# KiCad board ThumbsUp.kicad_pcb
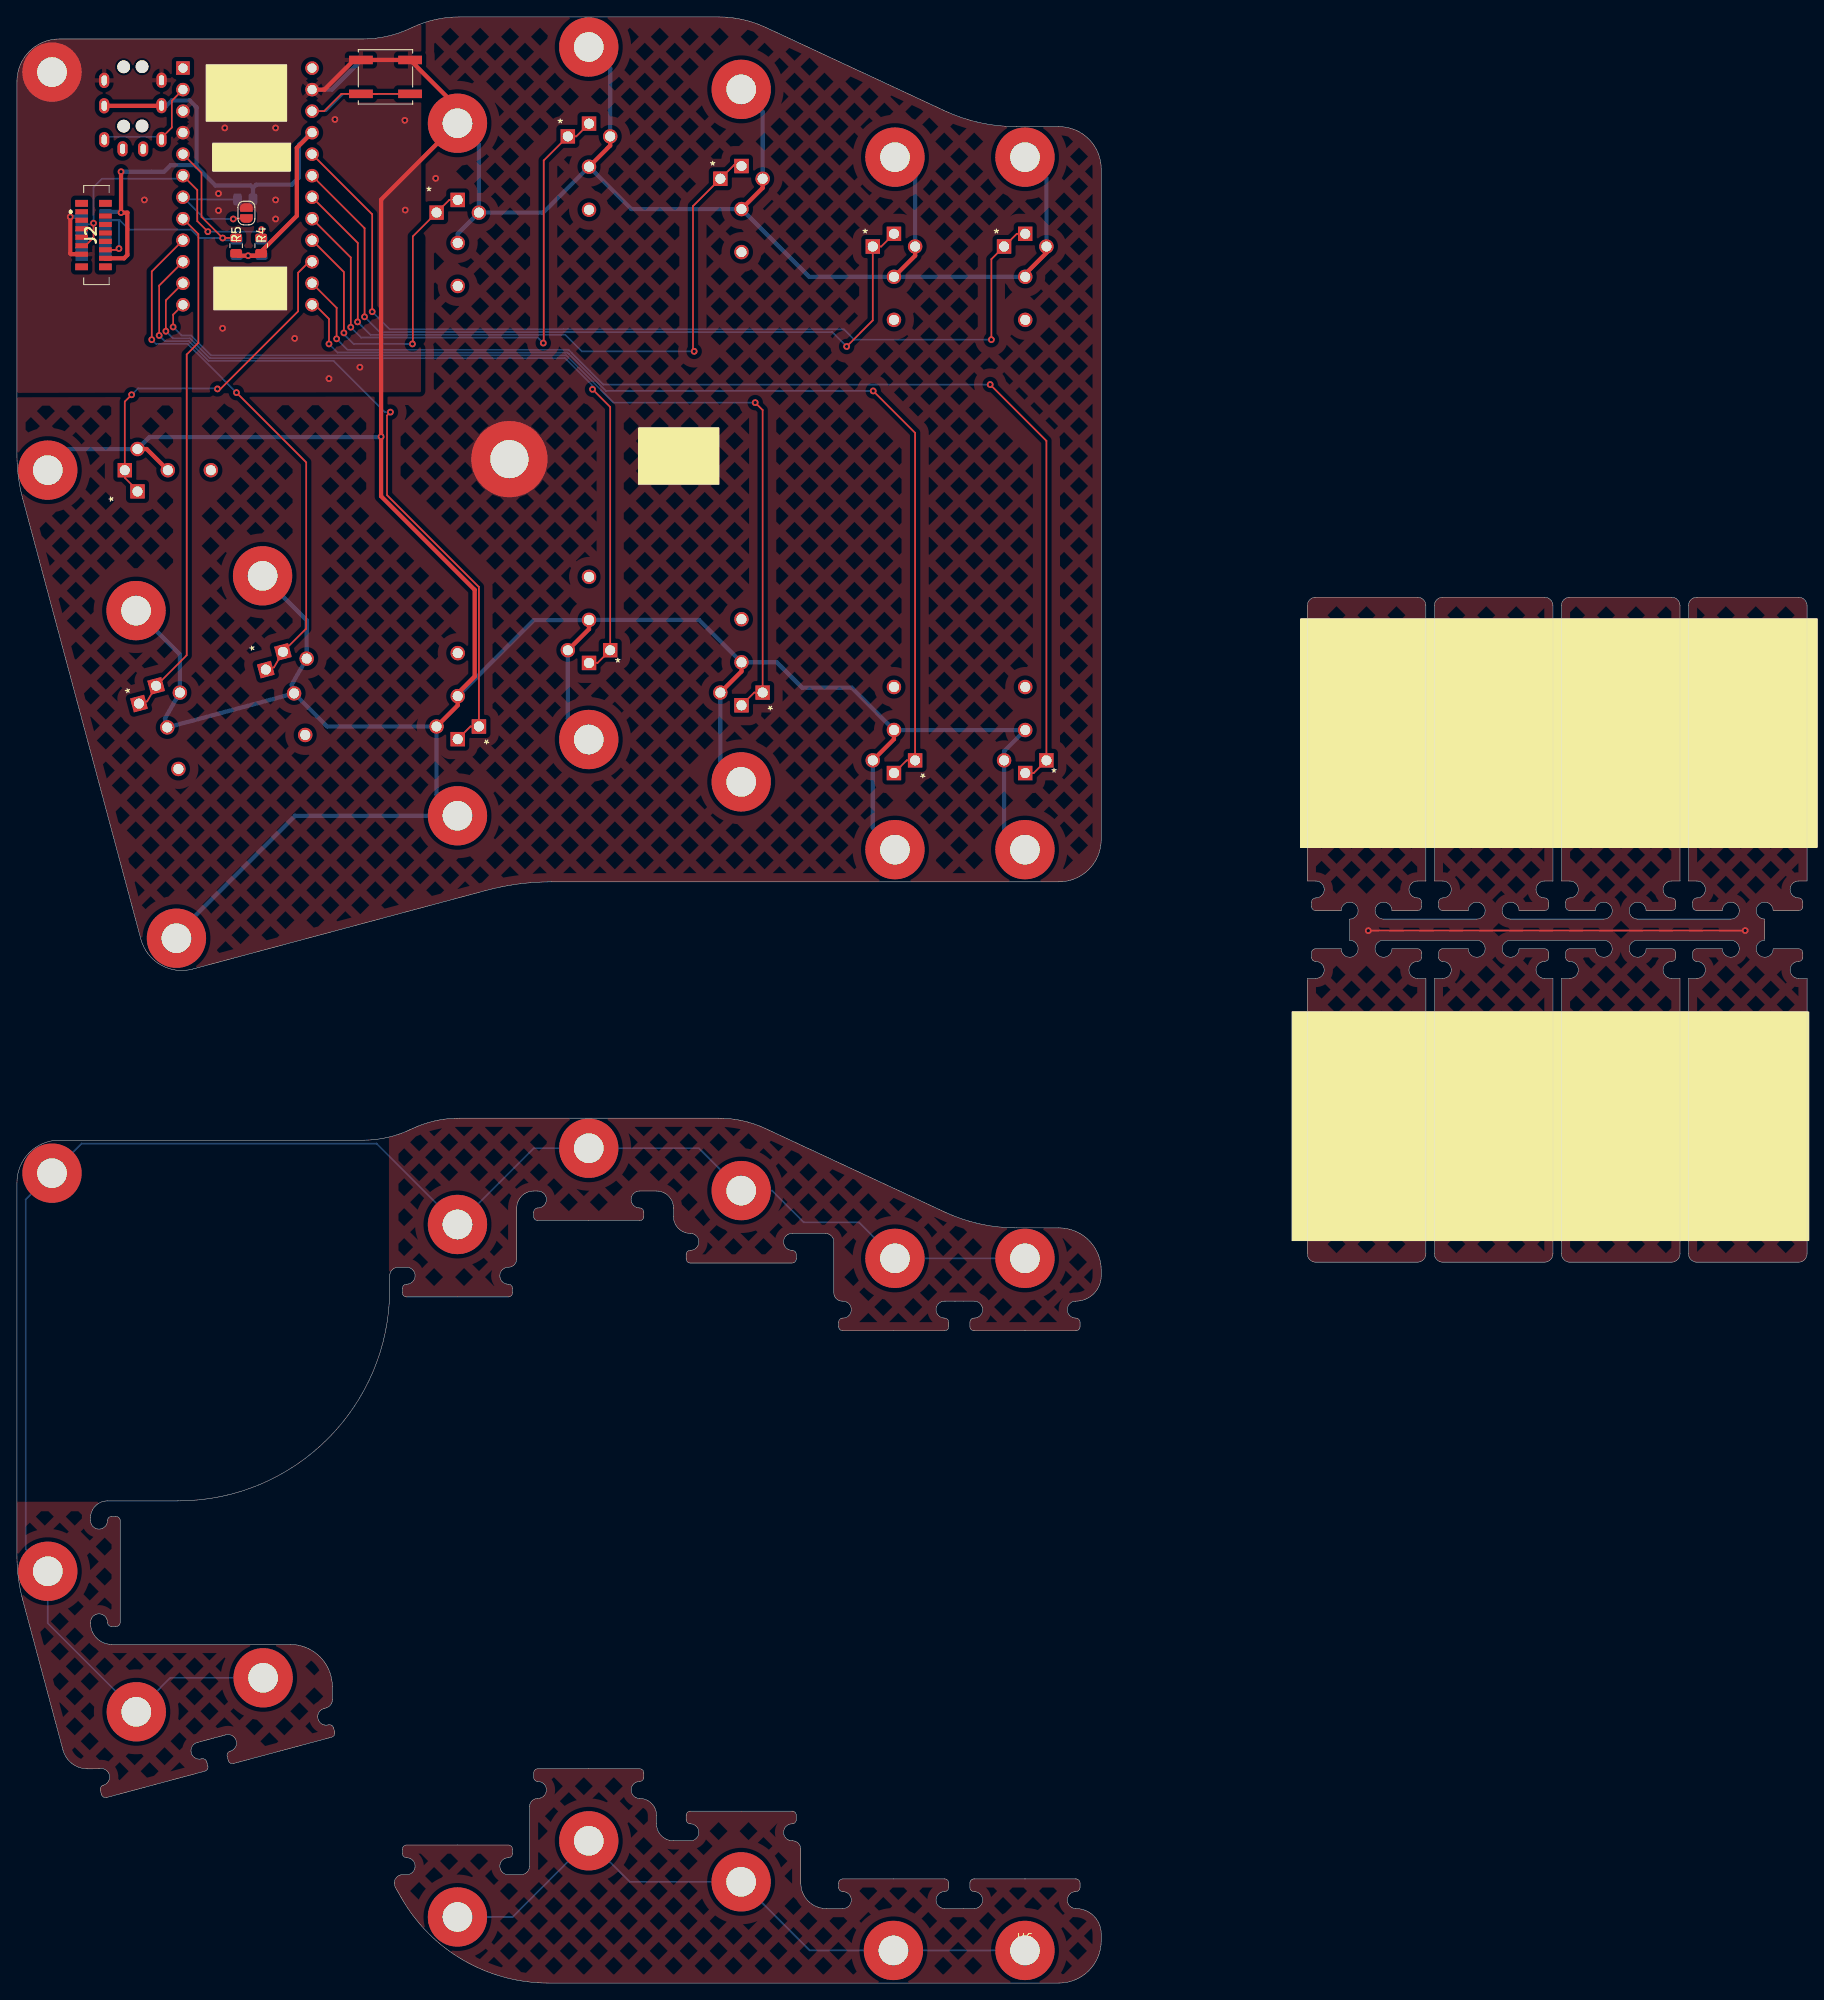
[diagram p0: board, top side]
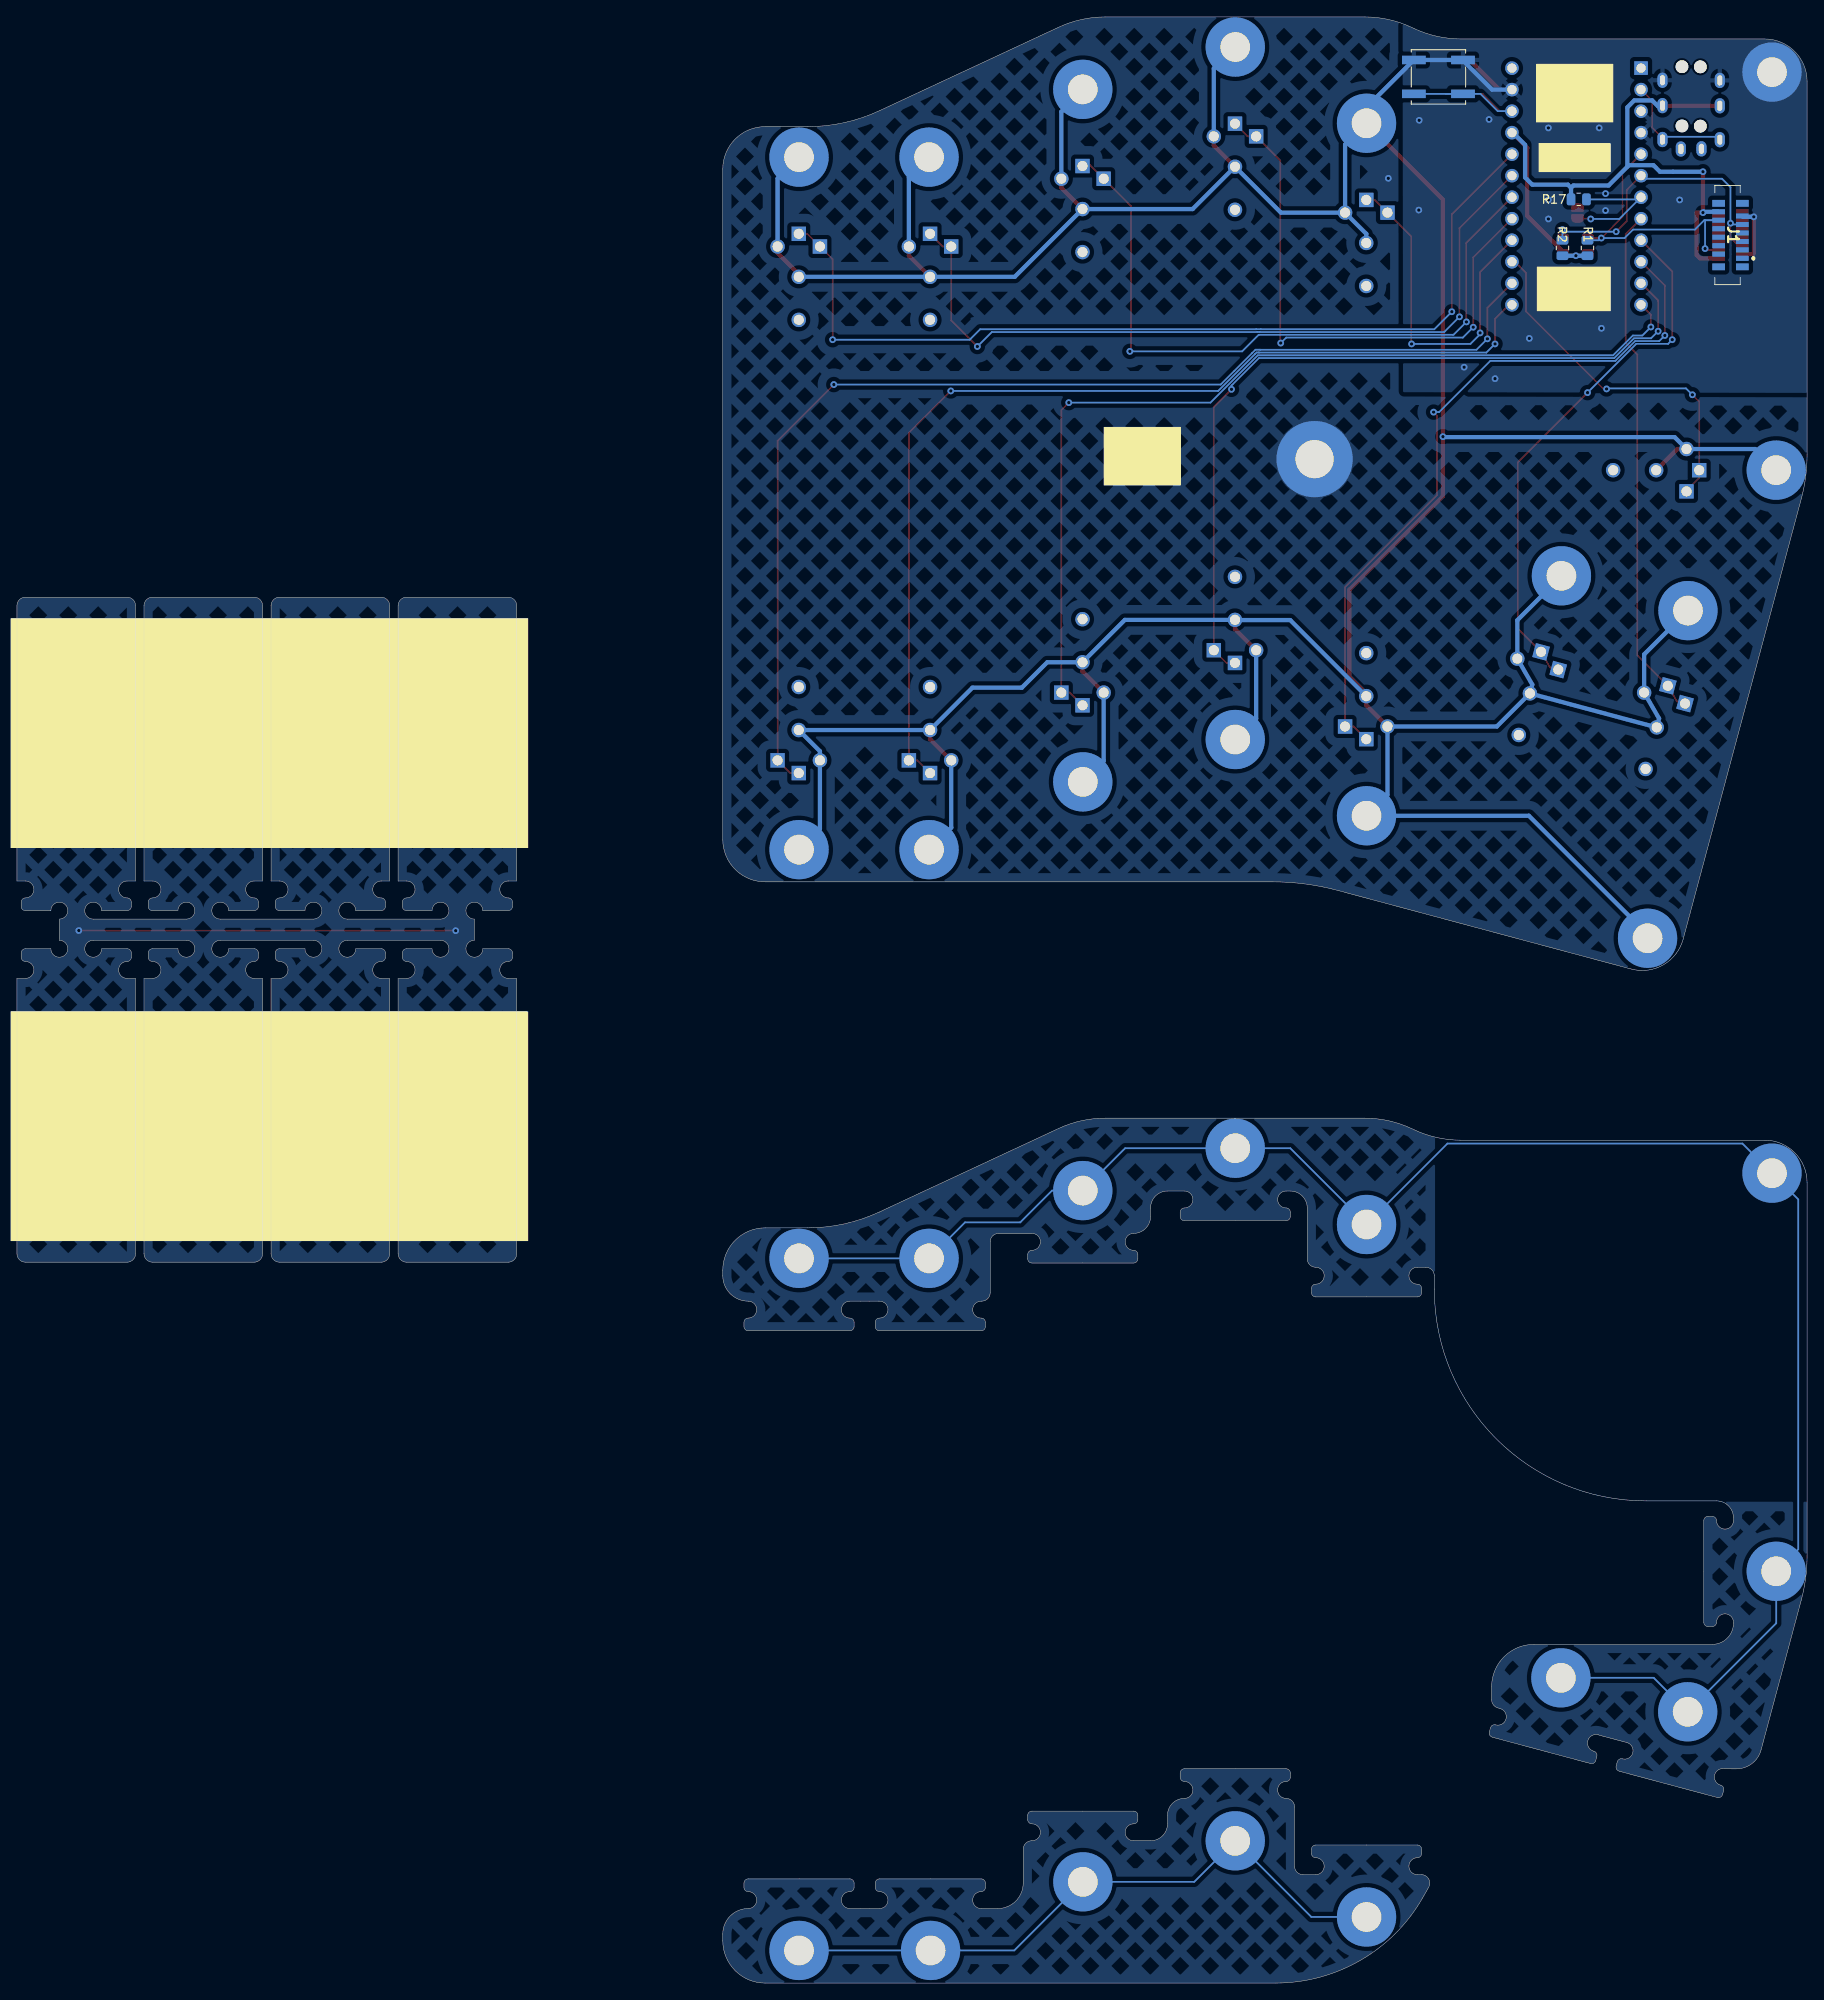
[diagram p1: board, bottom side, seen from below]

Outline 211.34 x 232.1 mm; copper layers: Top, Bottom. Coordinates in mm from the lower left corner of the outline.
Outline path: 92.54,11.79 92.54,15.8 arc(92.25,16.5) 91.54,16.8 91.51,16.8 arc(90.51,17.8) 91.51,18.8 arc(91.86,18.94) 92.01,19.3 92.01,19.8 arc(91.86,20.15) 91.51,20.3 79.51,20.3 arc(79.16,20.15) 79.01,19.8 79.01,19.3 arc(79.16,18.94) 79.51,18.8 arc(80.51,17.8) 79.51,16.8 77.51,16.8 77.51,16.8 arc(76.09,17.38) 75.51,18.8 75.51,19.8 arc(74.92,21.21) 73.51,21.8 arc(72.51,22.8) 73.51,23.8 arc(73.86,23.94) 74.01,24.3 74.01,24.8 arc(73.86,25.15) 73.51,25.3 61.51,25.3 arc(61.16,25.15) 61.01,24.8 61.01,24.3 arc(61.16,23.94) 61.51,23.8 arc(62.51,22.8) 61.51,21.8 arc(60.8,21.5) 60.51,20.8 60.51,13.8 arc(60.22,13.09) 59.51,12.8 58.01,12.8 arc(57.01,13.8) 58.01,14.8 arc(58.36,14.94) 58.51,15.3 58.51,15.8 arc(58.36,16.15) 58.01,16.3 46.01,16.3 arc(45.66,16.15) 45.51,15.8 45.51,15.3 arc(45.66,14.94) 46.01,14.8 arc(47.01,13.8) 46.01,12.8 45.55,12.8 arc(44.68,12.3) 44.68,11.3 45.37,10.09 arc(52.69,2.7) 62.74,0 123.01,0 arc(126.55,1.46) 128.01,5 128.01,5.8 arc(127.13,7.92) 125.01,8.8 125.01,8.8 arc(124.01,9.8) 125.01,10.8 arc(125.36,10.94) 125.51,11.3 125.51,11.8 arc(125.36,12.15) 125.01,12.3 113.01,12.3 arc(112.66,12.15) 112.51,11.8 112.51,11.3 arc(112.66,10.94) 113.01,10.8 arc(114.01,9.8) 113.01,8.8 ; 92.54,11.8 arc(93.42,9.68) 95.54,8.8 97.51,8.8 arc(98.51,9.8) 97.51,10.8 arc(97.16,10.94) 97.01,11.3 97.01,11.8 arc(97.16,12.15) 97.51,12.3 109.51,12.3 arc(109.86,12.15) 110.01,11.8 110.01,11.3 arc(109.86,10.94) 109.51,10.8 arc(108.51,9.8) 109.51,8.8 110.74,8.8 111.74,8.8 113.02,8.8 ; 166.34,130.1 165.34,130.1 arc(164.34,129.1) 165.34,128.1 arc(165.69,127.95) 165.84,127.6 165.84,127.1 arc(165.69,126.75) 165.34,126.6 162.34,126.6 arc(160.63,127.31) 161.34,125.6 172.34,125.6 arc(173.05,127.31) 171.34,126.6 168.34,126.6 arc(167.99,126.75) 167.84,127.1 167.84,127.6 arc(167.99,127.95) 168.34,128.1 arc(169.34,129.1) 168.34,130.1 167.34,130.1 167.34,162.6 arc(167.63,163.31) 168.34,163.6 180.34,163.6 arc(181.05,163.31) 181.34,162.6 181.34,130.1 180.34,130.1 arc(179.34,129.1) 180.34,128.1 arc(180.69,127.95) 180.84,127.6 180.84,127.1 arc(180.69,126.75) 180.34,126.6 177.34,126.6 arc(175.63,127.31) 176.34,125.6 187.34,125.6 arc(188.05,127.31) 186.34,126.6 183.34,126.6 arc(182.99,126.75) 182.84,127.1 182.84,127.6 arc(182.99,127.95) 183.34,128.1 arc(184.34,129.1) 183.34,130.1 182.34,130.1 ; 166.34,130.1 166.34,162.6 arc(166.05,163.31) 165.34,163.6 153.34,163.6 arc(152.63,163.31) 152.34,162.6 152.34,130.1 153.34,130.1 arc(154.34,129.1) 153.34,128.1 arc(152.99,127.95) 152.84,127.6 152.84,127.1 arc(152.99,126.75) 153.34,126.6 156.34,126.6 arc(158.05,127.31) 157.34,125.6 157.34,123.1 arc(158.05,121.39) 156.34,122.1 153.34,122.1 arc(152.99,121.95) 152.84,121.6 152.84,121.1 arc(152.99,120.75) 153.34,120.6 arc(154.34,119.6) 153.34,118.6 152.34,118.6 152.34,86.1 arc(152.63,85.39) 153.34,85.1 165.34,85.1 arc(166.05,85.39) 166.34,86.1 166.34,118.6 165.34,118.6 arc(164.34,119.6) 165.34,120.6 arc(165.69,120.75) 165.84,121.1 165.84,121.6 arc(165.69,121.95) 165.34,122.1 162.34,122.1 arc(160.63,121.39) 161.34,123.1 172.34,123.1 arc(173.05,121.39) 171.34,122.1 168.34,122.1 arc(167.99,121.95) 167.84,121.6 167.84,121.1 arc(167.99,120.75) 168.34,120.6 arc(169.34,119.6) 168.34,118.6 167.34,118.6 167.34,86.1 arc(167.63,85.39) 168.34,85.1 180.34,85.1 arc(181.05,85.39) 181.34,86.1 181.34,118.6 180.34,118.6 arc(179.34,119.6) 180.34,120.6 arc(180.69,120.75) 180.84,121.1 180.84,121.6 arc(180.69,121.95) 180.34,122.1 177.34,122.1 arc(175.63,121.39) 176.34,123.1 187.34,123.1 arc(188.05,121.39) 186.34,122.1 183.34,122.1 arc(182.99,121.95) 182.84,121.6 182.84,121.1 arc(182.99,120.75) 183.34,120.6 arc(184.34,119.6) 183.34,118.6 182.34,118.6 182.34,86.1 arc(182.63,85.39) 183.34,85.1 195.34,85.1 arc(196.05,85.39) 196.34,86.1 196.34,118.6 195.34,118.6 arc(194.34,119.6) 195.34,120.6 arc(195.69,120.75) 195.84,121.1 195.84,121.6 arc(195.69,121.95) 195.34,122.1 192.34,122.1 arc(190.63,121.39) 191.34,123.1 202.34,123.1 arc(203.05,121.39) 201.34,122.1 198.34,122.1 arc(197.99,121.95) 197.84,121.6 197.84,121.1 arc(197.99,120.75) 198.34,120.6 arc(199.34,119.6) 198.34,118.6 197.34,118.6 197.34,86.1 arc(197.63,85.39) 198.34,85.1 210.34,85.1 arc(211.05,85.39) 211.34,86.1 211.34,118.6 210.34,118.6 arc(209.34,119.6) 210.34,120.6 arc(210.69,120.75) 210.84,121.1 210.84,121.6 arc(210.69,121.95) 210.34,122.1 207.34,122.1 arc(205.63,121.39) 206.34,123.1 206.34,125.6 arc(205.63,127.31) 207.34,126.6 210.34,126.6 arc(210.69,126.75) 210.84,127.1 210.84,127.6 arc(210.69,127.95) 210.34,128.1 arc(209.34,129.1) 210.34,130.1 211.34,130.1 211.34,162.6 arc(211.05,163.31) 210.34,163.6 198.34,163.6 arc(197.63,163.31) 197.34,162.6 197.34,130.1 198.34,130.1 arc(199.34,129.1) 198.34,128.1 arc(197.99,127.95) 197.84,127.6 197.84,127.1 arc(197.99,126.75) 198.34,126.6 201.34,126.6 arc(203.05,127.31) 202.34,125.6 191.34,125.6 arc(190.63,127.31) 192.34,126.6 195.34,126.6 arc(195.69,126.75) 195.84,127.1 195.84,127.6 arc(195.69,127.95) 195.34,128.1 arc(194.34,129.1) 195.34,130.1 196.34,130.1 196.34,162.6 arc(196.05,163.31) 195.34,163.6 183.34,163.6 arc(182.63,163.31) 182.34,162.6 182.34,130.1 ; 0,224.5 arc(1.46,228.04) 5,229.5 40.87,229.5 arc(43.68,229.81) 46.35,230.71 46.72,230.89 arc(49.4,231.79) 52.21,232.1 82.86,232.1 arc(85.67,231.79) 88.35,230.88 109.52,221.02 arc(113.64,219.62) 117.97,219.15 123.01,219.15 arc(126.55,217.69) 128.01,214.15 128.01,135 arc(126.55,131.46) 123.01,130 63.12,130 arc(59.2,129.74) 55.35,128.98 20.75,119.7 arc(16.96,120.2) 14.63,123.24 0.68,175.22 arc(0.17,177.79) 0,180.4 0,224.5 ; 0,94.5 arc(1.46,98.04) 5,99.5 40.87,99.5 arc(43.68,99.81) 46.35,100.71 46.72,100.89 arc(49.4,101.79) 52.21,102.1 82.86,102.1 arc(85.67,101.79) 88.35,100.88 109.52,91.02 arc(113.65,89.62) 117.97,89.15 123.01,89.15 arc(126.55,87.69) 128.01,84.15 128.01,83.5 arc(127.13,81.38) 125.01,80.5 125.01,80.5 arc(124.01,79.5) 125.01,78.5 arc(125.36,78.35) 125.51,78 125.51,77.5 arc(125.36,77.15) 125.01,77 113.01,77 arc(112.66,77.15) 112.51,77.5 112.51,78 arc(112.66,78.35) 113.01,78.5 arc(114.01,79.5) 113.01,80.5 109.51,80.5 arc(108.51,79.5) 109.51,78.5 arc(109.86,78.35) 110.01,78 110.01,77.5 arc(109.86,77.15) 109.51,77 97.51,77 arc(97.16,77.15) 97.01,77.5 97.01,78 arc(97.16,78.35) 97.51,78.5 arc(98.51,79.5) 97.51,80.5 97.44,80.5 arc(96.73,80.79) 96.44,81.5 96.44,87.5 arc(96.15,88.21) 95.44,88.5 91.51,88.5 arc(90.51,87.5) 91.51,86.5 arc(91.86,86.35) 92.01,86 92.01,85.5 arc(91.86,85.15) 91.51,85 79.51,85 arc(79.16,85.15) 79.01,85.5 79.01,86 arc(79.16,86.35) 79.51,86.5 arc(80.51,87.5) 79.51,88.5 arc(78.09,89.09) 77.51,90.5 77.51,91.5 arc(76.92,92.91) 75.51,93.5 73.51,93.5 arc(72.51,92.5) 73.51,91.5 arc(73.86,91.35) 74.01,91 74.01,90.5 arc(73.86,90.15) 73.51,90 61.51,90 arc(61.16,90.15) 61.01,90.5 61.01,91 arc(61.16,91.35) 61.51,91.5 arc(62.51,92.5) 61.51,93.5 61.01,93.5 arc(59.59,92.91) 59.01,91.5 59.01,85.5 arc(58.72,84.79) 58.01,84.5 arc(57.01,83.5) 58.01,82.5 arc(58.36,82.35) 58.51,82 58.51,81.5 arc(58.36,81.15) 58.01,81 46.01,81 arc(45.66,81.15) 45.51,81.5 45.51,82 arc(45.66,82.35) 46.01,82.5 arc(47.01,83.5) 46.01,84.5 45.01,84.5 arc(44.3,84.21) 44.01,83.5 44.01,81.92 arc(36.69,64.24) 19.01,56.92 10.69,56.92 arc(9.28,56.33) 8.69,54.92 8.69,54.59 arc(9.69,53.59) 10.69,54.59 arc(10.84,54.94) 11.19,55.09 11.69,55.09 arc(12.04,54.94) 12.19,54.59 12.19,42.59 arc(12.04,42.24) 11.69,42.09 11.19,42.09 arc(10.84,42.24) 10.69,42.59 arc(9.69,43.59) 8.69,42.59 8.69,42.48 arc(9.42,40.71) 11.19,39.98 32.24,39.98 arc(35.78,38.52) 37.24,34.98 37.24,33.45 arc(37.04,32.85) 36.52,32.49 36.25,32.41 arc(35.54,31.18) 36.77,30.48 arc(37.15,30.43) 37.38,30.12 37.51,29.64 arc(37.46,29.26) 37.15,29.03 31.36,27.47 25.56,25.92 arc(25.18,25.97) 24.95,26.28 24.82,26.76 arc(24.87,27.14) 25.18,27.37 arc(25.88,28.6) 24.66,29.3 21.28,28.4 arc(20.57,27.17) 21.79,26.46 arc(22.17,26.41) 22.41,26.11 22.54,25.63 arc(22.49,25.25) 22.18,25.02 16.39,23.46 10.59,21.91 arc(10.21,21.96) 9.98,22.26 9.85,22.75 arc(9.9,23.13) 10.2,23.36 arc(10.91,24.58) 9.69,25.29 8.33,25.29 arc(6.51,25.91) 5.43,27.51 0.68,45.22 arc(0.17,47.79) 0,50.41 0,94.5

## Placement (name value [footprint] x y rotation side)
H1  MountingHole_Pad  [MountingHole_3.5mm_Pad]  103.66 85.55 0 top
H2  MountingHole_Pad  [MountingHole_3.5mm_Pad]  85.5 11.95 0 top
H3  MountingHole_Pad  [MountingHole_3.5mm_Pad]  3.64 178.6 0 top
H4  MountingHole_Pad  [MountingHole_4.5mm_Pad]  58.14 179.9 0 top
H5  MountingHole_Pad  [MountingHole_3.5mm_Pad]  85.51 223.55 0 top
H6  MountingHole_Pad  [MountingHole_3.5mm_Pad]  119.01 3.85 0 top
H7  MountingHole_Pad  [MountingHole_3.5mm_Pad]  119.01 215.55 0 top
H8  MountingHole_Pad  [MountingHole_3.5mm_Pad]  29 166.12 15 top
H9  MountingHole_Pad  [MountingHole_3.5mm_Pad]  103.66 133.8 0 top
H10  MountingHole_Pad  [MountingHole_3.5mm_Pad]  3.64 48.61 0 top
H11  MountingHole_Pad  [MountingHole_3.5mm_Pad]  52.01 219.55 0 top
H12  MountingHole_Pad  [MountingHole_3.5mm_Pad]  119.01 133.8 0 top
H13  MountingHole_Pad  [MountingHole_3.5mm_Pad]  103.66 215.55 0 top
H14  MountingHole_Pad  [MountingHole_3.5mm_Pad]  85.51 141.8 0 top
H15  MountingHole_Pad  [MountingHole_3.5mm_Pad]  52.01 89.55 0 top
H16  MountingHole_Pad  [MountingHole_3.5mm_Pad]  52.01 137.8 0 top
H17  MountingHole_Pad  [MountingHole_3.5mm_Pad]  4.14 225.59 0 top
H18  MountingHole_Pad  [MountingHole_3.5mm_Pad]  14.06 162.02 350 top
H19  MountingHole_Pad  [MountingHole_3.5mm_Pad]  29.06 36.03 15 top
H20  MountingHole_Pad  [MountingHole_3.5mm_Pad]  103.48 3.85 0 top
H21  MountingHole_Pad  [MountingHole_3.5mm_Pad]  52.01 7.8 0 top
H22  MountingHole_Pad  [MountingHole_3.5mm_Pad]  4.14 95.61 0 top
H23  MountingHole_Pad  [MountingHole_3.5mm_Pad]  14.09 32.02 350 top
H24  MountingHole_Pad  [MountingHole_3.5mm_Pad]  85.51 93.55 0 top
H25  MountingHole_Pad  [MountingHole_3.5mm_Pad]  119.01 85.55 0 top
H27  MountingHole_Pad  [MountingHole_3.5mm_Pad]  18.83 123.34 0 top
H31  MountingHole_Pad  [MountingHole_3.5mm_Pad]  67.51 228.55 0 top
H32  MountingHole_Pad  [MountingHole_3.5mm_Pad]  67.51 146.8 0 top
H33  MountingHole_Pad  [MountingHole_3.5mm_Pad]  67.51 98.55 0 top
H34  MountingHole_Pad  [MountingHole_3.5mm_Pad]  67.51 16.79 0 top
J1  52559-1233  [525591233]  9.04 206.35 90 bottom
J1L1  PJ-3200B  [PJ-3200B-4A]  14.77 227.83 270 top
J1R1  PJ-3200B  [PJ-3200B-4A]  12.6 227.81 270 bottom
J2  52559-1233  [525591233]  9.04 206.35 270 top
JP1  Right Hand  [SolderJumper-2_P1.3mm_Open_RoundedPad1.0x1.5mm]  27.09 208.95 270 top
MX23  SwAsterisk  [SW_D2FC_OMR]  12.73 178.59 90 top
MX26  SwU  [SW_D2FC_OMR]  31.4 157.15 15 top
MX27  SwF  [SW_D2FC_OMR]  52.04 210.5 0 top
MX28  SwR  [SW_D2FC_OMR]  52.04 146.84 180 top
MX30  SwE  [SW_D2FC_OMR]  16.43 153.14 15 top
MX31  SwP  [SW_D2FC_OMR]  67.54 219.5 0 top
MX32  SwB  [SW_D2FC_OMR]  67.54 155.84 180 top
MX35  SwL  [SW_D2FC_OMR]  85.54 214.5 0 top
MX36  SwG  [SW_D2FC_OMR]  85.54 150.84 180 top
MX39  SwT  [SW_D2FC_OMR]  103.54 206.5 0 top
MX40  SwS  [SW_D2FC_OMR]  103.54 142.84 180 top
MX42  SwD  [SW_D2FC_OMR]  119.04 206.5 0 top
MX43  SwZ  [SW_D2FC_OMR]  119.04 142.84 180 top
R1  4.7k  [R_0805_2012Metric]  25.93 204.82 270 bottom
R2  4.7k  [R_0805_2012Metric]  28.88 204.82 90 bottom
R4  4.7k  [R_0805_2012Metric]  28.83 205.1 90 top
R5  4.7k  [R_0805_2012Metric]  25.88 205.1 270 top
R17  5.1K  [R_0805_2012Metric]  26.95 210.56 0 bottom
STUDIO_UNLOCK1  SW_Push_Dual  [SW_Push_1P1T_NO_CK_KSC6xxJ]  43.51 225.02 180 top
STUDIO_UNLOCK2  SW_Push_Dual  [SW_Push_1P1T_NO_CK_KSC6xxJ]  43.52 225.02 0 bottom
U1  ProMicro  [ProMicro-NoSilk]  27.22 212.09 270 top

## Library data of the parts
H1-H25 H27 H31-H34 = -: Description: Mounting Hole with connection; ki_fp_filters: MountingHole*Pad*
J1 J2 = -: Description: FFC & FPC Connectors 0.5 FPC ZIF 12Ckt Sn-Ag-Bi
J1L1 J1R1 = -: Datasheet: https://datasheet.datasheetarchive.com/originals/distributors/Datasheets_SAMA/ae9d1df0991347f2f81145ba35ca04dc.pdf; Description: Phone Connectors 3.5mm S LUGS STEREO 3P THRU HOLE
JP1 = -: Description: Solder Jumper, 2-pole, open; ki_fp_filters: SolderJumper*Open*
R1 R2 R4 R5 R17 = -: ki_fp_filters: R_*
STUDIO_UNLOCK1 STUDIO_UNLOCK2 = -: Description: Push button switch, generic, two pins

## Footprints (pads in the part's own frame, mm; a bottom-side part is the same pattern mirrored in y, then rotated)
525591233
  rect 0.6x1.5 smd: 1(-2.75,-1.4) 2(-2.25,1.4) 3(-1.75,-1.4) 4(-1.25,1.4) 5(-0.75,-1.4) 6(-0.25,1.4) 7(0.25,-1.4) 8(0.75,1.4) 9(1.25,-1.4) 10(1.75,1.4) 11(2.25,-1.4) 12(2.75,1.4)
  rect 0.8x1.5 smd: MP1(-3.75,-1.4) MP2(-3.75,1.4) MP3(3.75,-1.4) MP4(3.75,1.4)
MountingHole_3.5mm_Pad
  round 7 hole 3.5: 1(0,0)
MountingHole_4.5mm_Pad
  round 9 hole 4.5: 1(0,0)
PJ-3200B-4A
  round 1.5 hole 1.5 unplated: (1.6,0) (8.6,0)
  oval 1.8x1.2 hole 1.2x0.6: 1(3.2,2.3) 2(6.2,2.3) 3(10.2,2.3) 4(11.3,-2.3)
ProMicro-NoSilk
  rect 1.6x1.6 hole 1.1: 1(-13.97,-7.62)
  round 1.6 hole 1.1: 2(-11.43,-7.62) 3(-8.89,-7.62) 4(-6.35,-7.62) 5(-3.81,-7.62) 6(-1.27,-7.62) 7(1.27,-7.62) 8(3.81,-7.62) 9(6.35,-7.62) 10(8.89,-7.62) 11(11.43,-7.62) 12(13.97,-7.62) 13(13.97,7.62) 14(11.43,7.62) 15(8.89,7.62) 16(6.35,7.62) 17(3.81,7.62) 18(1.27,7.62) 19(-1.27,7.62) 20(-3.81,7.62) 21(-6.35,7.62) 22(-8.89,7.62) 23(-11.43,7.62) 24(-13.97,7.62)
R_0805_2012Metric
  rrect 1.025x1.4 smd: 1(-0.912,0) 2(0.912,0)
SolderJumper-2_P1.3mm_Open_RoundedPad1.0x1.5mm
  custom 1x1.5 smd: 1(-0.65,0) 2(0.65,0)
SW_D2FC_OMR
  rect 1.702x1.702 hole 1.194: 1(-2.5,-1.5) 1(0,0)
  round 1.702 hole 1.194: 2(0,-5.08) 2(2.5,-1.5) 3(0,-10.16)
SW_Push_1P1T_NO_CK_KSC6xxJ
  rect 2.8x1 smd: 1(-2.9,2) 1(2.9,2) 2(-2.9,-2) 2(2.9,-2)

## Nets
GND: H3.1 H5.1 H7.1 H8.1 H9.1 H11.1 H12.1 H13.1 H14.1 H16.1 H17.1 H18.1 H27.1 H31.1 H32.1 J1.11 J1L1.1 J1R1.1 J2.11 JP1.1 MX23.2 MX26.2 MX27.2 MX28.2 MX30.2 MX31.2 MX32.2 MX35.2 MX36.2 MX39.2 MX40.2 MX42.2 MX43.2 STUDIO_UNLOCK1.2 STUDIO_UNLOCK2.2 U1.3 U1.4 U1.23
GND-B: H4.1
GNDA: H1.1 H10.1 H15.1 H19.1 H22.1 H23.1 H24.1 H25.1 H33.1
GNDC: H2.1 H6.1 H20.1 H21.1 H34.1
L-RING1: J1.12 J1L1.2 J1R1.2 J2.12 R1.2 R2.1 R4.1 R5.2 R17.2 U1.21
L-TIP: J1L1.3 J1R1.3 U1.2
RESET: STUDIO_UNLOCK1.1 STUDIO_UNLOCK2.1 U1.22
SCL: J1.9 J2.9 R2.2 R4.2 U1.6
SDA: J1.10 J2.10 R1.1 R5.1 U1.5
SwAst: MX23.1 U1.15
SwB: MX32.1 U1.11
SwD: MX42.1 U1.20
SwE: MX30.1 U1.8
SwF: MX27.1 U1.16
SwG: MX36.1 U1.12
SwL: MX35.1 U1.18
SwP: MX31.1 U1.17
SwR: MX28.1 U1.10
SwS: MX40.1 U1.13
SwT: MX39.1 U1.19
SwU: MX26.1 U1.9
SwZ: MX43.1 U1.14
Net-(JP1-B): JP1.2 R17.1 U1.7

Pads without a net: J1 1 2 3 4 5 6 7 8 MP1 MP2 MP3 MP4; J1L1 4; J1R1 4; J2 1 2 3 4 5 6 7 8 MP1 MP2 MP3 MP4; MX23 3; MX26 3; MX27 3; MX28 3; MX30 3; MX31 3; MX32 3; MX35 3; MX36 3; MX39 3; MX40 3; MX42 3; MX43 3; U1 1 24

## Via types
v1: diameter 0.8, hole 0.4, Top to Bottom, 52 vias

## Routing (per net, layer and track width the routed paths; a pad name or vN(x,y) marks a point on that pad's centre or on a via; arc(x,y) is an arc through that point)
GND: length 602.3
  Top w0.5: 101.04,135.66 103.7,133 103.71,133 ; MX32.2 67.54,159.84 MX32.2 ; STUDIO_UNLOCK1.2 52.01,221.42 H11.1 42.99,210.53 v1(42.99,182.55) 42.99,175.52 54.04,164.47 54.04,154.25 52.04,152.25 MX28.2 52.04,150.84 MX28.2 ; 39.81,227.02 36.31,223.52 U1.23 ; 46.45,227.11 46.36,227.02 STUDIO_UNLOCK1.2 ; MX35.2 88.04,211.92 MX35.2 ; MX23.2 15.31,181.09 MX23.2 ; MX31.2 70.04,216.92 MX31.2 ; J2.11 6.39,204.1 6.29,204.2 v1(6.29,208.5) ; MX36.2 85.54,154.84 MX36.2 ; 119.29,201.75 119.29,202 121.54,204.25 MX42.2 ; MX40.2 103.54,146.84 MX40.2 ; MX39.2 106.04,203.92 MX39.2
  Bottom w0.5: J1.11 7.54,208.5 v1(6.29,208.5) ; MX40.2 101.04,136.39 103.63,133.8 ; MX26.2 MX30.2 17.47,149.28 MX30.2 19.24,156.84 H18.1 ; MX26.2 36.62,148.34 MX28.2 49.54,140.27 H16.1 32.84,137.8 19.44,124.4 ; MX26.2 32.44,153.29 MX26.2 34.21,160.88 28.97,166.11 ; H32.1 65.04,149.27 MX32.2 ; MX27.2 52.04,206.5 MX27.2 ; MX27.2 62.12,209 MX31.2 72.54,209.42 MX35.2 93.54,201.42 MX39.2 MX42.2 ; MX27.2 54.54,217.02 H11.1 52.01,221.43 STUDIO_UNLOCK2.2 STUDIO_UNLOCK2.2 ; v1(42.99,182.55) 42.94,182.5 15.64,182.5 MX23.2 6.13,181.09 H3.1 ; MX42.2 121.54,213.02 H7.1 ; MX28.2 61.02,160.9 67.52,160.9 MX32.2 80.54,160.92 MX36.2 89.7,155.92 92.7,152.92 98.54,152.92 MX40.2 MX43.2 116.54,145.42 MX43.2 116.54,136.27 H12.1 ; MX28.2 52.04,152 ; MX28.2 52.02,151.9 ; 101.71,135 103.71,133 ; 101.94,216.3 102.14,216.3 ; MX31.2 70.04,226.02 H31.1 ; MX36.2 83.04,144.27 H14.1 ; H13.1 106.04,213.17 MX39.2 ; 85.4,223.55 88.04,220.91 MX35.2 ; U1.23 37.19,223.52 40.69,227.02 ; 100.84,135 103.38,135 ; 51.84,137 51.84,137.05 ; 1.44,178.6 3.93,181.09
  vias: v1(15.04,210.5) v1(23.79,211.25) v1(23.79,209.25) v1(24.27,195.35) v1(24.54,219) v1(30.54,219) v1(30.54,210.5) v1(30.54,208.25) v1(32.79,194.15) v1(36.84,189.4) v1(37.54,220) v1(40.49,190.75) v1(45.79,219.9) v1(45.84,209.3)
GND-B: length 3.7
  Bottom w0.5: 55.54,182.5 H4.1
  vias: v1(49.44,213.05)
GND-P: length 44.5
  Top w0.2: 159.54,124.25 v1(204.04,124.25)
  vias: v1(159.54,124.23)
GNDA: length 222.5
  Top w0.2: 103.91,86.05 103.66,86.3 101.16,86.3 ; 1.79,93.26 H22.1
  Bottom w0.2: H25.1 H1.1 99.41,89.8 92.89,89.8 89.14,93.55 H24.1 80.51,98.55 H33.1 61.01,98.55 H15.1 42.46,99.1 7.63,99.1 H22.1 1.04,92.51 1.04,51.21 H10.1 3.64,42.47 H23.1 18.1,36.03 H19.1
GNDC: length 79.2
  Top w0.2: 48.69,7.05 51.85,7.05
  Bottom w0.2: H6.1 H20.1 93.6,3.85 H2.1 72.35,11.95 H34.1 58.52,7.8 H21.1
L-RING1: length 88.5
  Top w0.5: R4.1 28.55,203.91 26.15,203.91 R5.2 ; J2.12 12.64,203.6 13.04,204 13.04,209 v1(12.29,209) v1(12.29,213.83) ; 10.1,221.61 16.85,221.61 16.87,221.63 ; U1.21 33.04,216.64 33.04,208.62 28.34,203.91 v1(27.29,203.91)
  Bottom w0.5: R17.2 27.87,211.93 ; 27.87,211.93 27.59,212.2 23.44,212.2 21.22,214.42 ; 27.87,211.93 28.24,212.3 32.44,212.3 33.29,213.15 33.29,217 34.73,218.44 U1.21 ; v1(12.29,213.83) 17.37,213.83 18.14,214.6 21.04,214.6 21.22,214.42 ; v1(12.29,209) 12.19,209.1 J1.12 ; 21.22,214.42 21.22,221.43 20.39,222.25 18.29,222.25 17.59,221.55 17.15,221.55 J1L1.2 ; R1.2 v1(27.29,203.91) R2.1
L-TIP: length 14.1
  Top w0.2: J1L1.3 17.07,217.83 18.29,219.05 18.29,222.21 U1.2
  Bottom w0.2: 10.1,217.61 10.39,217.9 ; 10.59,217.75 10.79,217.95 16.6,217.95 16.8,217.75 ; 16.6,217.9 16.87,217.63
RESET: length 28.8
  Top w0.2: 42.61,223.02 38.31,223.02 36.27,220.98 U1.22 ; STUDIO_UNLOCK1.1 STUDIO_UNLOCK1.1
  Bottom w0.2: STUDIO_UNLOCK2.1 STUDIO_UNLOCK2.1 ; 42.62,223.02 38.56,223.02 36.52,220.98 U1.22
SCL: length 36.4
  Top w0.2: v1(22.54,206.75) 21.29,208 21.29,211.67 U1.6 ; J2.9 8.09,205.1 9.04,206.05 v1(9.04,207.75) ; R4.2 28.83,206.95 v1(28.88,207)
  Bottom w0.2: U1.6 19.24,213 10.04,213 9.04,212 9.04,208 ; J1.9 8.89,207.6 ; v1(22.54,206.75) 28.63,206.75 v1(28.88,207) R2.2
SDA: length 36.5
  Top w0.2: J2.10 11.89,204.6 v1(12.04,204.75) ; U1.5 21.79,213.71 21.79,208.5 v1(24.29,206) 24.3,206.01 R5.1
  Bottom w0.2: R1.1 24.55,205.74 v1(24.29,206) 21.54,206 20.54,207 13.24,207 12.14,208.1 J1.10 12.04,208.1 v1(12.04,204.75)
SwAst: length 43
  Top w0.2: v1(23.67,188.19) 24.03,188.19 33.19,197.35 33.19,201.9 34.49,203.2 U1.15 ; 14.44,176.2 14.23,176.2 12.73,177.69 MX23.1 12.73,186.69 v1(13.54,187.5)
  Bottom w0.2: v1(23.67,188.19) 23.61,188.25 14.29,188.25 v1(13.54,187.5)
SwB: length 94.8
  Top w0.2: v1(17.58,195) 17.58,198.64 U1.11 ; v1(67.95,188.14) 70.04,186.05 MX32.1 68.54,155.84 MX32.1
  Bottom w0.2: v1(67.95,188.14) 67.95,188.59 64.71,191.83 22.76,191.83 20.43,194.16 18.42,194.16 v1(17.58,195)
SwD: length 110.8
  Top w0.2: MX42.1 118.04,206.5 MX42.1 115.04,203.5 v1(115.04,194) ; v1(41.94,197.3) 41.94,208.8 U1.20
  Bottom w0.2: v1(41.94,197.3) 44.01,195.23 64.5,195.23 64.5,195.23 65.04,195.23 65.04,195.23 97.62,195.23 98.85,194 v1(115.04,194)
SwE: length 61.1
  Top w0.2: U1.8 21.42,206.46 21.42,193.63 20.04,192.25 20.04,156.75 MX30.1 15.37,151.3 MX30.1
SwF: length 40.9
  Top w0.2: v1(38.6,194.8) 38.6,201.98 U1.16 ; v1(46.69,193.5) 46.74,193.55 46.74,206.2 MX27.1 51.04,210.5 MX27.1
  Bottom w0.2: v1(46.69,193.5) 39.74,193.5 38.55,194.69
SwG: length 113.2
  Top w0.2: v1(87.16,186.57) 88.04,185.69 MX36.1 87.04,152.34 MX36.1 ; U1.12 18.44,196.96 v1(18.44,195.5)
  Bottom w0.2: v1(18.44,195.5) 19.45,194.49 20.56,194.49 22.9,192.15 64.85,192.15 70.44,186.57 v1(87.16,186.57)
SwL: length 82.9
  Top w0.2: 85.54,214.6 84.64,214.6 MX35.1 79.81,209.77 79.81,192.76 v1(79.95,192.62) ; 40.24,196.3 40.24,205.42 U1.18
  Bottom w0.2: v1(40.22,196.1) 41.74,194.58 64.74,194.58 66.69,192.62 v1(79.95,192.62)
SwP: length 66.9
  Top w0.2: U1.17 39.41,203.71 v1(39.41,195.47) ; v1(62.14,193.6) 62.19,193.65 62.19,215.15 MX31.1 66.04,218 MX31.1
  Bottom w0.2: v1(62.14,193.6) 61.49,194.25 40.64,194.25 v1(39.41,195.47)
SwR: length 85.8
  Top w0.2: v1(44.09,185.45) 43.69,185.05 43.69,175.65 54.54,164.8 MX28.1 53.54,148.34 MX28.1 ; v1(16.79,194.5) 16.79,200.39 U1.10
  Bottom w0.2: v1(16.79,194.5) 17.45,193.84 20.29,193.84 22.63,191.5 37.39,191.5 43.44,185.45 v1(44.09,185.45)
SwS: length 121
  Top w0.2: v1(101.09,187.95) 106.04,183 MX40.1 105.04,144.34 MX40.1 ; U1.13 35.17,198.12 36.84,196.45 v1(36.84,193.5)
  Bottom w0.2: v1(101.09,187.95) 69.52,187.95 65.18,192.29 65.18,192.29 64.99,192.49 64.71,192.49 64.71,192.48 37.86,192.48 v1(36.84,193.5)
SwT: length 93.8
  Top w0.2: MX39.1 102.04,205 MX39.1 101.04,196.28 v1(97.96,193.2) ; v1(41.04,196.7) 41.04,207.16 U1.19
  Bottom w0.2: v1(41.04,196.7) 42.84,194.9 64.63,194.9 64.63,194.91 64.91,194.91 64.91,194.9 96.25,194.9 v1(97.96,193.2)
SwU: length 64.1
  Top w0.2: U1.9 15.92,202.06 v1(15.92,194) ; v1(25.92,187.75) 34.15,179.52 34.15,159.9 MX26.1 30.34,155.31 MX26.1
  Bottom w0.2: v1(15.92,194) 16.41,193.51 20.16,193.51 v1(25.92,187.75)
SwZ: length 137.4
  Top w0.2: v1(114.9,188.7) 121.54,182.06 MX43.1 120.04,142.84 MX43.1 ; U1.14 37.74,197.76 v1(37.74,194.1)
  Bottom w0.2: v1(114.9,188.7) 69.23,188.7 65.51,192.42 65.51,192.43 65.12,192.81 64.58,192.81 64.57,192.81 39.03,192.81 v1(37.74,194.1)
Net-(JP1-B): length 15.3
  Top w0.2: 27.2,208.41 JP1.2 25.59,208.3 v1(25.54,208.25)
  Bottom w0.2: v1(25.54,208.25) 22.17,208.25 U1.7 19.86,210.56 R17.1

## Copper pours and planes (outline as drawn; the poured copper is in the pictures)
GND on Top, Bottom: 47.75,234 47.7,187.8 -9.36,187.7 -9.36,233.9
GND-B on Top, Bottom: 46.79,187.73 46.85,235.25 140.29,235.25 140.29,107.36 -9.46,107.36 -9.36,187.62
GND-P on Top, Bottom: 149.51,166.25 213.49,166.65 212.79,82.18 149.98,81.98
(no net) on Top, Bottom: 43.92,104.88 145.34,104.93 143.77,-15.16 -12.26,-19.16 -7.95,56.82 43.92,56.82

## Text on the board
B.Fab: Raiser_Male
B.Mask: 5K FOR / LEFT HAND | LEFT HAND / TRACKPAD / PULLUP 5K | LEFT HAND / ProMicro / FACE DOWN / HERE | u/ak66666 / ThumbsUp! / v.12 rev.5 / June 2026
F.Mask: RIGHT HAND / ProMicro / FACE UP / HERE | CLOSE FOR / RIGHT HAND | RIGHT / TRACKPAD / PULLUP 5K | u/ak66666 / ThumbsUp! / v.12 rev.5 / June 2026
